# Altium PCB HW_RV_TOUCH_R1M1.PcbDoc (part 4 of 5)
Units mil, origin at the board's own origin, x right, y up, seen from the top; angles counter-clockwise.
Board outline 7086.61 x 4330.71 mil, 6 copper layers (Top Layer, Int1 (GND), Int2 (Sig), Int3 (PWR), Int4 (GND), Bottom Layer), stack 77.316 mil thick; 341 components, 211 nets, 1147 pads, 844 vias.
Unrouted connection lines stored in the file: 123.
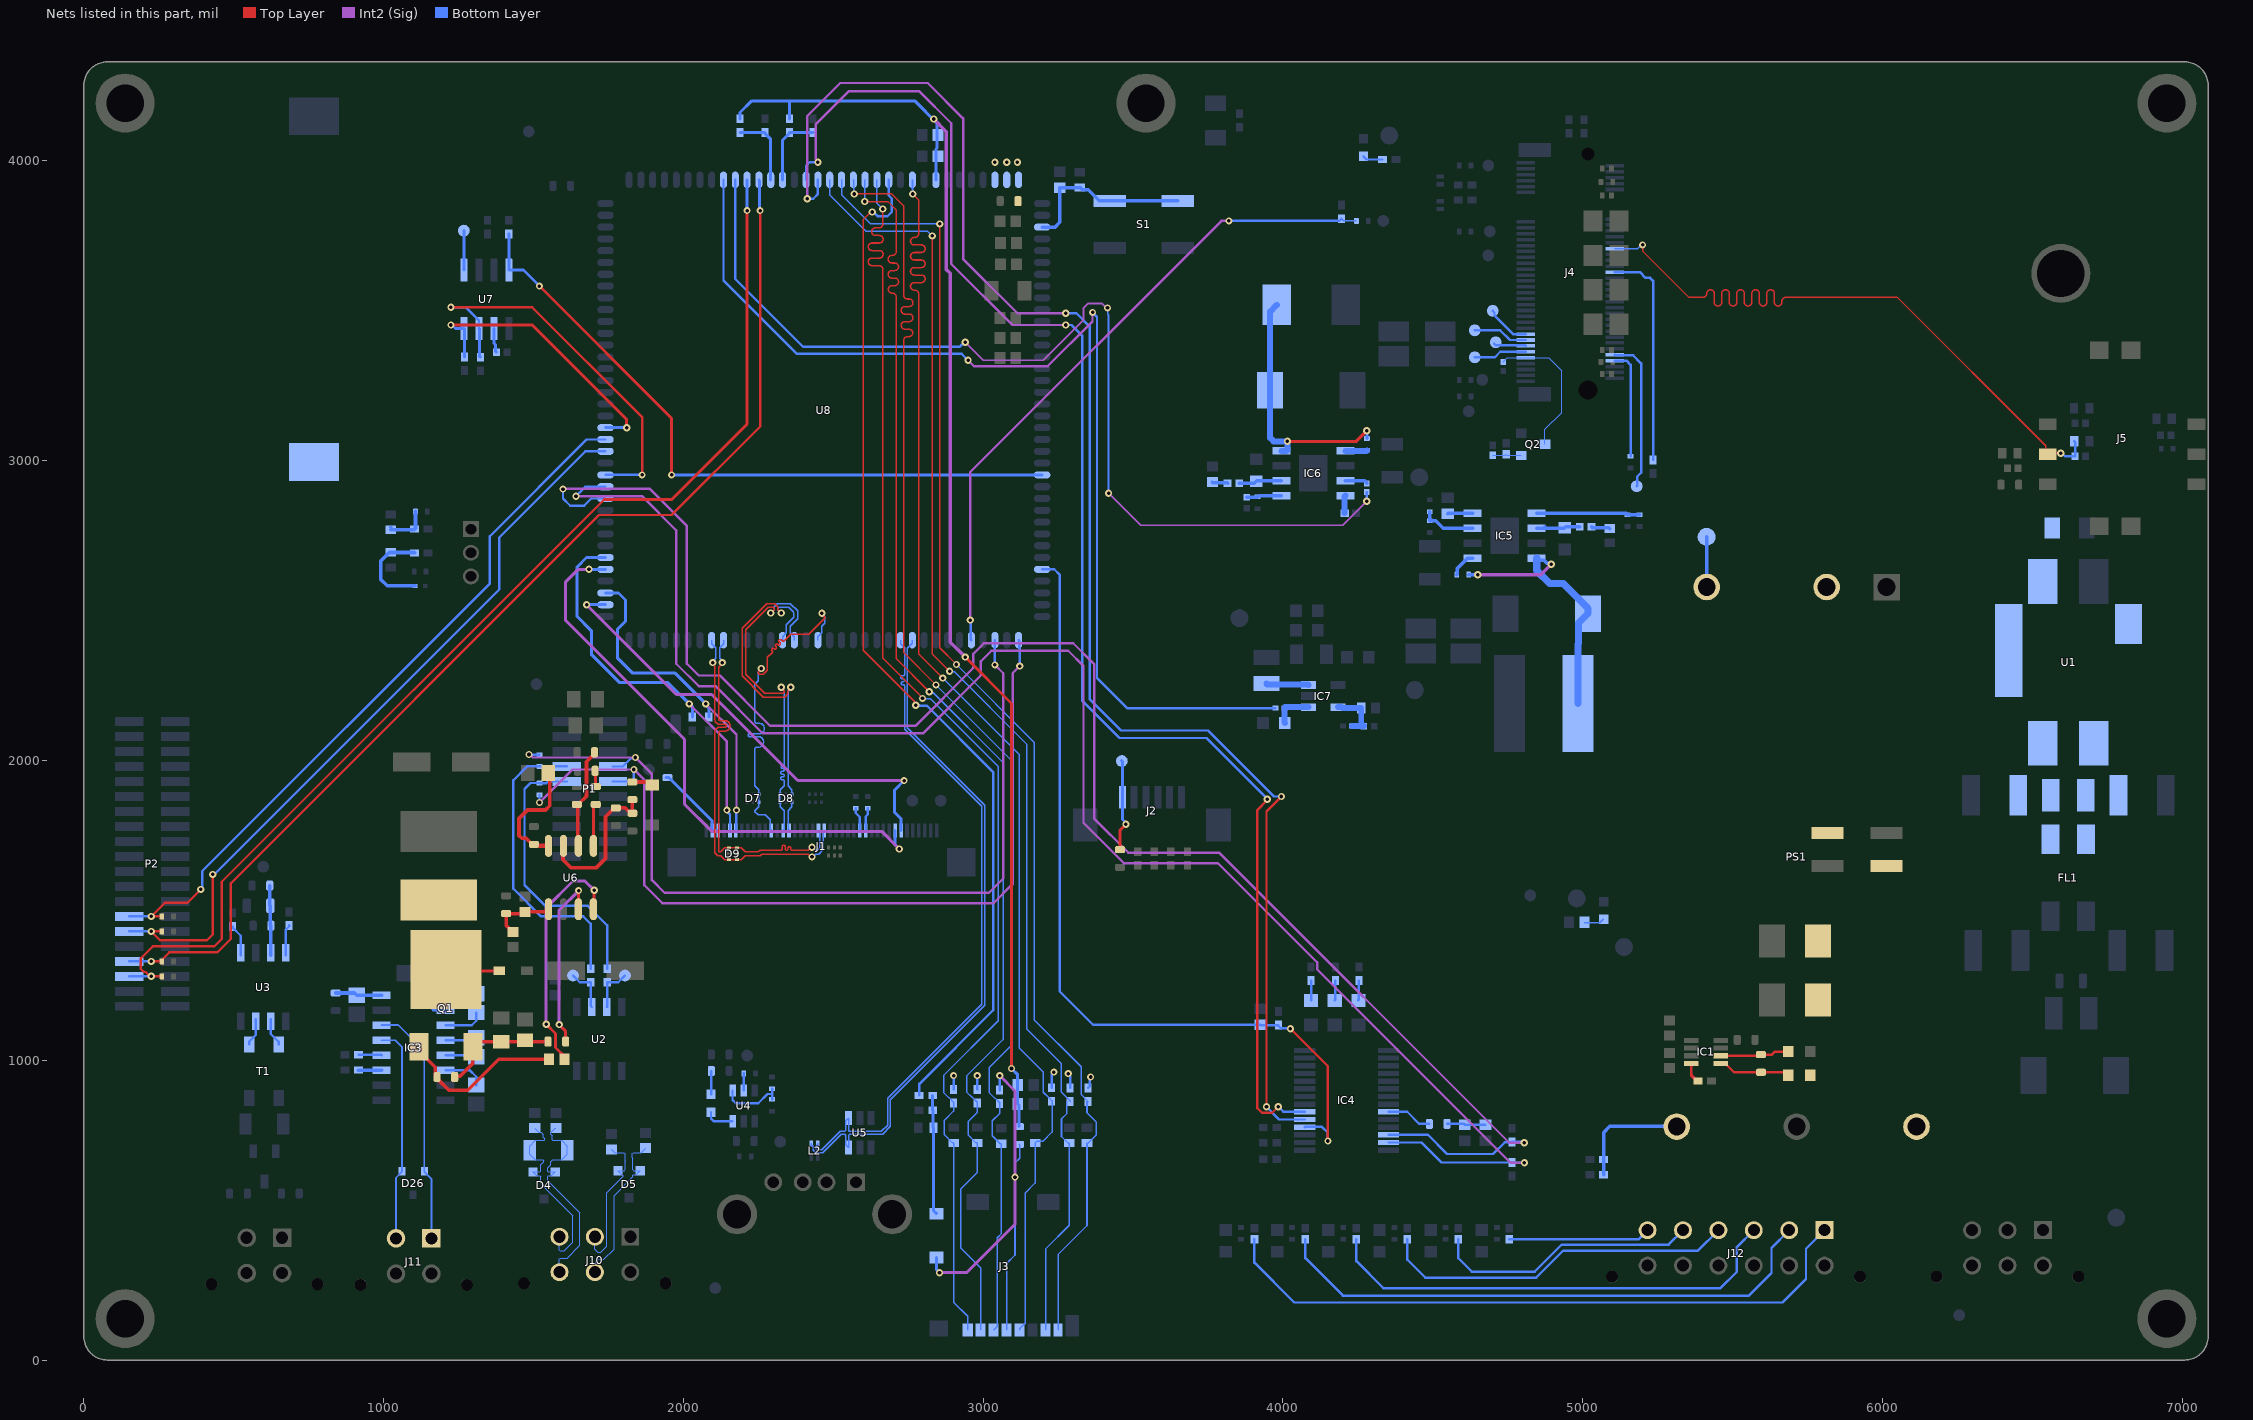
[diagram p8: the nets of this part, all layers, seen from the top]

## Via types
v1: diameter 24.02, hole 12.01, Top Layer to Bottom Layer, tented both sides, 744 vias
v2: diameter 16.14/16.14/16.14/16.14/16.14/16.14 (per signal layer), hole 8.07, Top Layer to Bottom Layer, tented both sides, 71 vias
v3: diameter 16.14, hole 8.07, Top Layer to Bottom Layer, tented both sides, 12 vias
v4: diameter 24.02, hole 12.01, Top Layer to Bottom Layer, 11 vias
v5: diameter 47.24, hole 24.02, Top Layer to Bottom Layer, tented both sides, 6 vias

## Nets (pads, with @x,y where several pads share a name; then routed paths per layer and width w, separated by ;. In a path a pad name is that pad's centre, name@x,y a point inside that pad or via, vN(x,y) a via of type N, cw(c..) or ccw(c..) an arc to the next point about the centre after c; other vN are vias at no path point) (continued)
LVDS0_D1_P: D7.3 D7.4 J1.12 U8.124 | length 1236.2
  Top Layer w4.4: v1(2259.84,2307.09) 2259.84,2304.21 2250.33,2294.7 2250.33,2290.28 2252.91,2287.7 2266.77,2287.7 2279.94,2300.87 2279.94,2343.76 2295.99,2359.81 ccw(c2292.67,2363.13) 2295.99,2366.46 cw(c2299.31,2369.78) 2295.99,2373.1 cw(c2299.31,2369.78) 2302.64,2373.1 ccw(c2305.96,2376.43) 2309.28,2373.1 ccw(c2305.96,2376.43) 2309.28,2379.75 2308.3,2380.74 cw(c2311.62,2384.06) 2308.3,2387.39 cw(c2311.62,2384.06) 2314.94,2387.39 2315.93,2386.4 ccw(c2319.25,2389.72) 2322.58,2386.4 ccw(c2319.25,2389.72) 2322.58,2393.04 2320.03,2395.59 cw(c2323.36,2398.91) 2320.03,2402.24 cw(c2323.36,2398.91) 2326.68,2402.24 2329.22,2399.69 ccw(c2332.55,2403.01) 2335.87,2399.69 2344.07,2407.89 2357.44,2421.26 2418.51,2421.26 2471.59,2474.33 2471.59,2478.76 2462.08,2488.26 v1(2462.08,2491.14)
  Bottom Layer w4.4: v1(2259.84,2307.09) 2259.84,2304.21 2250.33,2294.7 2250.33,2266.08 2238.78,2254.53 2238.78,2137.8 2238.78,2129.09 ccw(c2243.48,2129.09) 2243.48,2124.39 2252.56,2124.39 cw(c2252.56,2106.69) 2252.56,2088.99 2220.49,2088.99 ccw(c2220.49,2084.29) 2220.49,2079.59 2249.9,2079.59 cw(c2249.9,2061.89) 2249.9,2044.19 2243.48,2044.19 ccw(c2243.48,2039.49) 2238.78,2039.49 2238.78,2000 2238.78,1915.26 2251.97,1902.07 D7.3@2251.97,1887.3 D7.4@2251.97,1860.73 2251.97,1845.96 2238.78,1832.77 2238.78,1829.13 2249.02,1818.89 2273.69,1818.89 2289.96,1802.61 2289.96,1770.35 J1.12@2293.31,1767.01 ; U8.124@2448.82,2401.57 2448.82,2413.36 2462,2426.54 2462,2448.06 2471.59,2457.65 2471.59,2478.76 2462.08,2488.26 v1(2462.08,2491.14)
LVDS0_D2_N: D8.1 D8.6 J1.14 U8.126 | length 1237.6
  Top Layer w4.4: v1(2291.34,2492.13) 2291.34,2492.36 2302.56,2503.58 2302.56,2507.22 2299.05,2510.73 2283.63,2510.73 2208.66,2435.76 2208.66,2287.4 2271.35,2224.71 2333.18,2224.71 2335.76,2227.29 2335.76,2231.71 2326.25,2241.22 v1(2326.25,2244.09)
  Bottom Layer w4.4: v1(2291.34,2492.13) 2291.34,2492.36 2302.56,2503.58 2302.56,2512.61 2313.68,2523.73 2356.86,2523.73 2381.76,2498.83 2381.76,2472.31 2356.89,2447.44 2356.89,2426.53 2370.08,2413.34 U8.126@2370.08,2401.57 ; v1(2326.25,2244.09) 2326.25,2241.74 2336.28,2231.71 2336.28,2027.56 2336.28,1987.73 cw(c2331.58,1987.73) 2331.58,1983.03 2330.59,1983.03 ccw(c2330.59,1978.33) 2330.59,1973.63 2331.58,1973.63 cw(c2331.58,1968.93) 2331.58,1964.23 2329.56,1964.23 ccw(c2329.56,1959.53) 2329.56,1954.83 2331.58,1954.83 cw(c2331.58,1950.13) 2331.58,1945.43 2329.56,1945.43 ccw(c2329.56,1940.73) 2329.56,1936.03 2331.58,1936.03 cw(c2331.58,1931.33) 2336.28,1931.33 2336.28,1929.13 2336.28,1915.52 2322.83,1902.07 D8.1@2322.83,1887.3 D8.6@2322.83,1860.73 2322.83,1845.96 2336.02,1832.77 2336.02,1770.35 J1.14@2332.68,1767.01
LVDS0_D2_P: D8.3 D8.4 J1.15 U8.127 | length 1237.8
  Top Layer w4.4: v1(2326.77,2492.13) 2326.77,2492.36 2315.56,2503.58 2315.56,2512.61 2304.43,2523.73 2278.25,2523.73 2195.66,2441.15 2195.66,2282.02 2265.97,2211.71 2338.57,2211.71 2348.76,2221.9 2348.76,2231.71 2358.27,2241.22 v1(2358.27,2244.09)
  Bottom Layer w4.4: v1(2326.77,2492.13) 2326.77,2492.36 2315.56,2503.58 2315.56,2507.22 2319.06,2510.73 2351.47,2510.73 2366.14,2496.06 2368.76,2493.44 2368.76,2477.7 2343.89,2452.83 2343.89,2426.53 2330.7,2413.34 U8.127@2330.7,2401.57 ; J1.15@2352.36,1767.01 2349.02,1770.35 2349.02,1832.77 2362.2,1845.96 D8.4@2362.2,1860.73 D8.3@2362.2,1887.3 2362.2,1902.59 2349.28,1915.52 2349.28,2027.56 2349.28,2231.71 2358.27,2240.7 v1(2358.27,2244.09)
LVDS0_D3_N: D9.1 D9.6 J1.20 U8.132 | length 1236.2
  Top Layer w4.4: v1(2129.92,2326.77) 2129.92,2323.89 2117.89,2311.86 2117.89,2146.83 2117.89,2138.13 ccw(c2122.59,2138.13) 2122.59,2133.43 2138.33,2133.43 cw(c2138.33,2115.73) 2138.33,2098.03 2122.59,2098.03 ccw(c2122.59,2093.33) 2117.89,2093.33 2117.89,1917.32 2117.89,1698.05 2120.47,1695.48 2124.11,1695.48 2137.3,1708.66 D9.1@2152.07,1708.66 D9.6@2178.64,1708.66 2193.41,1708.66 2206.6,1695.48 2250.59,1695.48 2255.98,1700.86 2322.83,1700.86 2325.04,1700.86 ccw(c2325.04,1705.56) 2329.74,1705.56 2329.74,1713.33 cw(c2334.44,1713.33) 2339.14,1713.33 2339.14,1705.56 ccw(c2343.84,1705.56) 2348.54,1705.56 2348.54,1707.19 cw(c2353.24,1707.19) 2357.94,1707.19 2357.94,1705.56 ccw(c2362.64,1705.56) 2362.64,1700.86 2397.64,1700.86 2416.75,1700.86 2426.26,1710.37 v1(2429.13,1710.37)
  Bottom Layer w4.4: v1(2129.92,2326.77) 2129.92,2332.08 2120.66,2341.34 2120.66,2376.62 2133.85,2389.8 U8.132@2133.85,2401.57 ; v1(2429.13,1710.37) 2432.01,1710.37 2441.52,1700.86 2445.94,1700.86 2454.13,1709.05 2454.13,1763.67 J1.20@2450.79,1767.01
LVDS0_D3_P: D9.3 D9.4 J1.21 U8.133 | length 1237.1
  Top Layer w4.4: v1(2097.91,2326.77) 2097.91,2321.46 2104.89,2314.48 2104.89,2146.83 2104.89,2138.13 ccw(c2122.59,2138.13) 2122.59,2120.43 2138.33,2120.43 cw(c2138.33,2115.73) 2138.33,2111.03 2122.59,2111.03 ccw(c2122.59,2093.33) 2104.89,2093.33 2104.89,1917.32 2104.89,1692.67 2115.08,1682.48 2124.11,1682.48 2137.3,1669.29 D9.3@2152.07,1669.29 D9.4@2178.64,1669.29 2193.41,1669.29 2206.6,1682.48 2255.98,1682.48 2261.37,1687.86 2416.75,1687.86 2426.26,1678.35 v1(2429.13,1678.35)
  Bottom Layer w4.4: U8.133@2094.48,2401.57 2094.48,2389.8 2107.66,2376.62 2107.66,2341.84 2097.91,2332.08 v1(2097.91,2326.77) ; v1(2429.13,1678.35) 2432.01,1678.35 2441.52,1687.86 2451.33,1687.86 2467.13,1703.67 2467.13,1763.67 J1.21@2470.47,1767.01
Module_RESET_N: C90.1 J4.67 Q2.3 | length 486.7
  Bottom Layer w4: C90.1@4734.9,3330 C90.1@4735,3329.9 ; C90.1@4735,3330.75 4748.07,3343.82 J4.67@4810,3343.82 4886.18,3343.82 4930,3300 4930,3160 4874.37,3104.37 Q2.3@4874.37,3055
NetBAT1_POS: BAT1.POS C48.2 U7.6 | length 82.4
  Bottom Layer w10: U7.6@1368.08,3441.12 1368.08,3391.76 1374.02,3385.83 1374.02,3364.57 C48.2@1376.38,3362.2
NetC3_1: C3.1 C7.2 FL1.4 U1.1
NetC6_1: C6.1 C8.1 PS1.2 U1.4
NetC7_1: C7.1 C10.2 FL1.3 U1.3
NetC12_1: C12.1 D37.1 IC6.8 L4.1 | length 870.8
  Top Layer w10: v1(4015,3065) 4245,3065 v1(4280,3100)
  Bottom Layer w10: C12.1@4280,3074.37 v1(4280,3100)
  Bottom Layer w20: L4.1@3980,3520 3957.2,3497.2 D37.1@3957.2,3235 3957.2,3076.72 3968.92,3065 v1(4015,3065) 4014.63,3064.63 4014.63,3036.06 4011.83,3033.27 IC6.8@3994.61,3033.27
NetC12_2: C12.2 IC6.1 | length 72.6
  Bottom Layer w20: IC6.1@4208.15,3033.27 4278.27,3033.27 C12.2@4280,3035
NetC13_1: C13.1 D36.1 IC5.8 L5.1 | length 942.8
  Int2 (Sig) w11.81: v1(4650,2620) 4860,2620 v1(4895,2655)
  Bottom Layer w11.81: C13.1@4619.69,2620 v1(4650,2620) ; IC5.8@4846.77,2675 4853.66,2668.11 4870.89,2668.11 4881.66,2657.34 4892.66,2657.34 v1(4895,2655)
  Bottom Layer w23.62: IC5.8@4846.77,2675 4846.77,2633.23 4890,2590 4935.51,2590 5017.8,2507.72 D36.1@5017.8,2490 4986.3,2458.5 4986.3,2391.26 4984.17,2389.13 L5.1@4984.17,2190
NetC13_2: C13.2 IC5.1 | length 87
  Bottom Layer w11.81: C13.2@4580.31,2620 4582.28,2621.97 4582.28,2641.28 4616,2675 IC5.1@4633.23,2675
NetC14_1: C14.1 IC1.2 R7.1 | length 215.8
  Top Layer w8: IC1.2@5460.69,1015.08 5491.63,1015.08 5491.71,1014.99 5508.29,1014.99 5508.37,1015.08 C14.1@5580.83,1015.08 ; C14.1@5594.55,1019.02 5631.28,1019.02 5641.13,1028.86 R7.1@5686.08,1028.86
NetC14_2: C14.2 IC1.1 R6.1 | length 237.6
  Top Layer w8: IC1.1@5460.69,989.49 5475.45,989.49 5504.98,959.96 C14.2@5590.43,959.96 ; C14.2@5594.55,959.96 5676.24,959.96 R6.1@5686.08,950.12
NetC20_2: C20.2 IC5.6 R109.2 | length 145.6
  Bottom Layer w12: IC5.6@4846.77,2775 C20.2@4938.58,2775 ; IC5.6@4868.58,2775 4870,2776.42 IC5.6@4873.58,2780 ; C20.2@4943.58,2780 R109.2@4990.31,2780
NetC22_1: C22.1 R109.1 | length 63
  Bottom Layer w11.81: R109.1@5029.69,2780 5032.87,2776.81 5086.81,2776.81 C22.1@5090,2773.62
NetC23_2: C23.2 IC6.6 R124.2 | length 143.3
  Bottom Layer w11.81: R124.2@3854.69,2925 3904.53,2925 C23.2@3911.38,2931.85 3912.8,2933.27 IC6.6@3994.61,2933.27
NetC24_2: C24.2 R124.1 | length 51.7
  Bottom Layer w11.81: C24.2@3765,2928.43 3766.71,2926.71 3813.6,2926.71 R124.1@3815.31,2925
NetC34_2: C34.2 C35.2 FB3.2 U3.3 | length 234.1
  Bottom Layer w12: FB3.2@620.08,1582.68 620.08,1517.72 C34.2@622.05,1515.75 622.05,1450.79 C35.2@624.02,1448.82 623.78,1448.58 623.78,1350.63 U3.3@623.55,1350.39
NetC43_2: C43.2 R43.1 | length 54
  Top Layer w10: C43.2@1705.71,1965.83 1706.69,1964.84 1706.69,1913.66 R43.1@1707.68,1912.68
NetC44_2: C44.2 R53.1 U6.2 | length 342
  Top Layer w12: U6.2@1650,1715.14 1647.34,1717.8 1647.34,1850.96 C44.2@1644.69,1853.62 1649.61,1853.62 1676.67,1880.69 1676.67,1995.57 1703.74,2022.64 R53.1@1703.74,2027.56
NetC45_2: C45.2 R48.2 R51.2 U6.3 | length 506.2
  Top Layer w12: U6.3@1600,1715.14 1598.43,1713.56 1598.43,1669.29 1625.98,1641.73 1708.66,1641.73 1740.16,1673.23 1740.16,1812.28 1769.68,1841.81 C45.2@1774.61,1841.81 1806.6,1841.81 1824.31,1824.09 R51.2@1829.72,1824.09 R48.2@1829.72,1869.37
NetC46_2: C46.2 R42.1 U6.4 | length 404
  Top Layer w12: C46.2@1500.98,1720.47 1495.57,1720.47 1475.18,1740.87 1460.91,1740.87 1451.77,1750 1451.77,1806.77 1480,1835 1540,1835 1554.14,1849.14 1554.14,1957.95 R42.1@1550,1953.82
  Top Layer w15: C46.2@1500.98,1720.47 1505.3,1716.16 1517.98,1716.16 1519,1715.14 U6.4@1550,1715.14
NetC47_2: C47.2 R47.1 R52.2 U6.5 | length 220.5
  Top Layer w12: R47.1@1432.09,1428.43 1430.12,1428.43 1408.46,1450.08 C47.2@1408.46,1489.45 1465.55,1489.45 R52.2@1471.46,1495.35 1543.16,1495.35 1550,1502.19 U6.5@1550,1503.92
NetC49_2: C49.2 D18.2 S1.1 S1.2 U8.73 | length 592.1
  Bottom Layer w12: U8.73@3196.86,3779.53 3240.16,3779.53 3255.91,3795.28 C49.2@3255.91,3910.43 3256.4,3910.93 3322.34,3910.93 D18.2@3322.83,3911.42 3330.61,3903.64 3351.05,3903.64 3387.68,3867.01 S1.2@3422.13,3867.01 S1.1@3648.5,3867.01
NetC60_1: C60.1 IC3.3 | length 135.9
  Bottom Layer w7.99: IC3.3@1206.88,1116.99 1294.16,1116.99 1309.06,1131.89 C60.1@1309.06,1159.45
NetC60_2: C60.2 IC3.1 | length 104.4
  Bottom Layer w7.99: IC3.1@1206.88,1216.99 1303.61,1216.99 C60.2@1309.06,1222.44
NetC61_1: C61.1 IC3.5 | length 104.3
  Bottom Layer w7.99: IC3.5@1206.88,1016.99 1303.87,1016.99 C61.1@1309.06,1011.81
NetC61_2: C61.2 IC3.4 | length 105.4
  Bottom Layer w7.99: IC3.4@1206.88,1066.99 1301.24,1066.99 C61.2@1309.06,1074.8
NetC62_1: C62.1 IC3.2 | length 178.3
  Bottom Layer w7.99: C62.1@1131.6,1290.02 1131.6,1201.07 1165.68,1166.99 IC3.2@1206.88,1166.99
NetC63_1: C63.1 IC3.6 | length 138.9
  Bottom Layer w7.99: IC3.6@1206.88,966.99 1286.94,966.99 1309.06,944.88 C63.1@1309.06,917.32
NetC64_1: C64.1 FB6.1 IC3.16 | length 156.9
  Bottom Layer w12: FB6.1@840,1224.53 901.97,1224.53 C64.1@910,1216.5 910.5,1216.99 IC3.16@993.34,1216.99
NetC68_1: C68.1 IC7.1 R15.2 | length 132.9
  Bottom Layer w20: C68.1@4006.42,2125 4004.76,2126.65 R15.2@4004.76,2175 4007.76,2177.99 IC7.1@4085.79,2177.99
NetC70_1: C70.1 IC7.5 R73.1 R74.2 | length 182.2
  Bottom Layer w20: IC7.5@4184.21,2177.99 4196.02,2177.99 4199.02,2175 C70.1@4261.38,2175 4261.38,2123.62 R73.1@4270,2115 R74.2@4229.76,2115
NetC80_1: C80.1 C81.1 FB8.2 | length 129.2
  Bottom Layer w8: FB8.2@4547.6,787.8 4603.7,787.8 C81.1@4606.65,784.84 C80.1@4675.55,784.84
NetD2_2: D2.2 R11.1 | length 67.7
  Bottom Layer w6: R11.1@5005.93,1458.84 5057.49,1458.84 D2.2@5068.93,1470.28
NetD3_2: D3.2 R12.1 | length 67.8
  Bottom Layer w7.99: D3.2@4268.94,4015.47 4279.41,4005 R12.1@4332.36,4005
NetD12_1: D12.1 U4.3 | length 97.1
  Bottom Layer w8: D12.1@2092.14,827.27 2092.14,805.62 2100.89,796.86 U4.3@2163.99,796.86
NetD12_2: D12.2 R34.2 | length 78.3
  Bottom Layer w5: D12.2@2092.14,886.33 D12.2@2093.12,887.31
  Bottom Layer w8: D12.2@2093.12,887.31 R34.2@2093.12,964.19
NetD13_1: D13.1 D14.2 R41.2 | length 310.8
  Bottom Layer w12: R41.2@1103.35,2692.91 1102.36,2693.9 1024.61,2693.9 D14.2@1023.62,2694.88 1019.68,2694.88 989.91,2665.1 989.91,2605.09 1012.32,2582.68 D13.1@1104.82,2582.68
NetD15_2: D15.2 R39.1 R40.2 | length 146.4
  Bottom Layer w12: D15.2@1023.62,2769.68 1101.38,2769.68 1106.2,2774.51 1106.2,2826.87 1106.3,2826.96 R39.1@1106.3,2830.71 ; D15.2@1023.62,2777.56 D15.2@1027.56,2773.62
NetD16_2: D16.2 L3.2 Q1.2 | length 179.7
  Top Layer w10: Q1.2@1207.8,1302.44 1211.74,1298.5 D16.2@1385.92,1298.5
NetD17_2: D17.2 R48.1 | length 71.1
  Top Layer w12: R48.1@1829.72,1928.43 1886.51,1928.43 D17.2@1896.65,1918.29
NetD19_2: D19.2 J3.10 R66.2 R67.2 | length 399.8
  Bottom Layer w10: R66.2@2831.69,882.56 R67.2@2831.69,833.34 2833.17,831.87 2833.17,775.77 D19.2@2834.65,774.29 2834.65,498.43 J3.10@2844.88,488.19
NetD33_2: D33.2 R114.1 | length 66.8
  Bottom Layer w8: D33.2@4251.73,1200.04 4253.7,1202.01 R114.1@4253.7,1265.98
NetD34_2: D34.2 R115.1 | length 66.8
  Bottom Layer w8: D34.2@4172.99,1200.04 4174.96,1202.01 R115.1@4174.96,1265.98
NetD35_2: D35.2 R118.1 | length 65.9
  Bottom Layer w8: D35.2@4094.25,1200.04 R118.1@4094.25,1265.98
NetFB1_1: FB1.1 J1.2 J1.3 | length 264.8
  Bottom Layer w10: FB1.1@1942.52,1942.91 FB1.1@1946.95,1942.91 1951.87,1942.91 2095.55,1799.23 2095.55,1767.91 J1.2@2096.46,1767.01 J1.3@2116.14,1767.01
NetFB2_2: FB2.2 J2.1 TP15.1 | length 311.9
  Top Layer w10: FB2.2@3456.69,1702.76 3456.69,1767.72 v1(3476.38,1787.4)
  Bottom Layer w10: TP15.1@3460.92,2000.13 3464.57,1996.48 J2.1@3464.57,1877.95 3464.57,1803.01 3476.38,1791.19 v1(3476.38,1787.4)
NetFB4_2: FB4.2 J3.4 J3.9 R60.2 R61.2 R62.2 R63.2 R64.2 R65.2 | length 1815.8
  Int2 (Sig) w10: v1(2854.33,291.34) 2944.88,291.34 3106.3,452.76 3106.3,897.64 v1(3055.12,948.82)
  Bottom Layer w5.1: J3.4@3078.54,100.39 3078.54,322.64 3106.3,350.39 v1(3106.3,610.24) 3106.3,657.48 3122.05,673.23 3122.05,717.52 FB4.2@3120.08,719.49
  Bottom Layer w7.99: R64.2@2901.57,902.55 v1(2901.57,948.82) ; R65.2@2980.32,902.55 v1(2980.32,948.82) ; R61.2@3055.12,900.59 v1(3055.12,948.82) ; R60.2@3228.35,908.46 3228.35,952.76 v1(3236.22,960.63) ; v1(3284.03,955.54) 3284.03,951.2 3290,945.23 R62.2@3290,907.64 ; R63.2@3350,907.64 3355.48,913.12 3355.48,941.11 v1(3358.54,944.17)
  Bottom Layer w10: J3.9@2844.88,342.52 2844.88,300.79 v1(2854.33,291.34)
NetFB5_1: FB5.1 U8.68 U8.69 U8.70
  other v1: 3039.37,3996.06 3078.74,3996.06 3114.17,3996.06
NetFB8_1: FB8.1 IC4.9 | length 152.5
  Bottom Layer w8: IC4.9@4352.72,828.15 4414.72,828.15 4455.08,787.8 FB8.1@4488.54,787.8
NetIC1_8: IC1.8 R4.1 | length 70.2
  Top Layer w10: IC1.8@5362.26,989.49 5362.26,950.12 5381.95,930.44 R4.1@5384.9,930.44
NetIC3_11: IC3.11 R69.1 | length 77.4
  Bottom Layer w8: IC3.11@993.14,967.19 IC3.11@993.34,966.99
  Bottom Layer w12: R69.1@916.05,967.19 916.15,967.09 993.04,967.09 IC3.11@993.14,967.19
NetIC3_12: IC3.12 R70.1 | length 77.9
  Bottom Layer w8: R70.1@916.05,1018.37 991.96,1018.37 IC3.12@993.34,1016.99
NetIC4_12: IC4.12 R84.1 U8.11 | length 5627.6
  Int2 (Sig) w8: v1(1598.43,2905.51) 1599.86,2906.94 1887.26,2906.94 2011.81,2782.39 2011.81,2322.83 2051.18,2283.46 2122.05,2283.46 2289.91,2115.61 2774.16,2115.61 2967.07,2308.52 2967.07,2355.76 3002.5,2391.2 3300.65,2391.2 3370.08,2321.76 3370.08,1807.09 3484.25,1692.91 3787.09,1692.91 4755,725 v1(4805,725)
  Bottom Layer w8: v1(1598.43,2905.51) 1598.43,2874.02 1622.67,2849.77 1668.67,2849.77 1692.91,2874.02 U8.11@1740.15,2874.01 ; IC4.12@4352.72,751.38 4483.62,751.38 4547.6,687.4 4701.14,687.4 4740.51,726.77 4763.15,726.77 R84.1@4764.13,727.76 4802.24,727.76 v1(4805,725)
NetIC4_13: IC4.13 R89.1 U8.12 | length 5514.4
  Int2 (Sig) w8: v1(1641.73,2881.89) 1862.2,2881.89 1976.38,2767.72 1976.38,2322.83 2051.18,2248.03 2107.37,2248.03 2264.85,2090.55 2799.21,2090.55 2992.13,2283.46 2992.13,2330.71 3027.56,2366.14 3283.86,2366.14 3334.65,2315.35 3334.65,1792.41 3469.58,1657.48 3783.46,1657.48 4114.6,1326.35 4114.6,1302.97 4759.43,658.14 v1(4805.81,658.14)
  Bottom Layer w8: v1(1641.73,2881.89) 1673.23,2913.38 U8.12@1740.15,2913.38 ; IC4.13@4352.72,725.79 4461.97,725.79 4528.9,658.86 R89.1@4764.13,658.86 4764.85,658.14 v1(4805.81,658.14)
NetIC4_19: IC4.19 U8.53 | length 5182.8
  Top Layer w8: v1(3945.24,844.88) 3945.24,1830.24 v1(3995,1880)
  Int2 (Sig) w8: v1(2413.39,3874.02) 2413.11,3874.3 2413.11,4149.89 2523.34,4260.12 2815.24,4260.12 2933.07,4142.29 2933.07,3673.23 3114.17,3492.13 v1(3275.59,3492.13)
  Bottom Layer w8: v1(2413.39,3874.02) 2433.07,3874.02 2448.82,3889.76 U8.53@2448.82,3937.01 ; v1(3275.59,3492.13) 3311.02,3492.13 3355,3448.15 3355,2205 3460,2100 3750,2100 3970,1880 v1(3995,1880) ; v1(3945.24,844.88) 3987.56,802.56 IC4.19@4073.19,802.56
NetIC4_20: IC4.20 U8.52 | length 4963.8
  Top Layer w8: v1(3947.82,1870.73) 3947.82,1867.82 3915,1835 3915,840 3930.13,824.87 3964.6,824.87 v1(3984.61,844.88)
  Int2 (Sig) w8: v1(2448.82,3996.06) 2440.95,4003.94 2440.95,4122.05 2551.18,4232.28 2787.4,4232.28 2893.7,4125.98 2893.7,3656.92 3097.87,3452.76 v1(3275.59,3452.76)
  Bottom Layer w8: U8.52@2409.44,3937.01 2409.45,3984.25 2421.26,3996.06 v1(2448.82,3996.06) ; v1(3275.59,3452.76) 3294.72,3452.76 3330,3417.47 3330,2200 3455,2075 3745,2075 v1@3948.54,1871.46 ; v1(3984.61,844.88) 3985.09,844.88 4001.83,828.15 IC4.20@4073.19,828.15
NetIC5_3: IC5.3 R9.1 R111.2 | length 183.9
  Bottom Layer w11.81: R111.2@4490,2830.32 R9.1@4490,2800 4510,2800 4535,2775 IC5.3@4633.23,2775
NetIC5_4: IC5.4 R122.2 | length 83.9
  Bottom Layer w11.81: R122.2@4550,2823.43 4551.57,2825 IC5.4@4633.23,2825
NetIC5_5: IC5.5 R10.1 R113.2 | length 346.7
  Bottom Layer w11.81: IC5.5@4846.77,2825 5144.69,2825 5146.06,2823.62 5146.06,2821.65 5148.03,2819.68 R113.2@5150,2819.68 5150.16,2819.84 5189.84,2819.84 R10.1@5190,2820
NetIC6_3: IC6.3 R13.2 | length 75.9
  Bottom Layer w11.81: IC6.3@4208.15,2933.27 4272.48,2933.27 4280,2925.75 R13.2@4280,2924.76
NetIC6_4: IC6.4 R126.2 | length 59
  Bottom Layer w20: R126.2@4206.3,2825 4206.3,2881.41 IC6.4@4208.15,2883.27
NetIC6_5: IC6.5 R14.1 R120.2 | length 116.9
  Bottom Layer w11.81: R14.1@3880,2877.72 3880.98,2878.7 3914.02,2878.7 R120.2@3915,2879.68 3916.97,2879.68 3920.55,2883.27 IC6.5@3994.61,2883.27
NetIC7_3: IC7.3 L6.1 | length 142.7
  Bottom Layer w20: L6.1@3945,2256.69 3947.34,2254.35 4083.44,2254.35 IC7.3@4085.79,2252.01
NetJ4_38: J4.38 R82.1 | length 737.4
  Bottom Layer w8: J4.38@5107.24,3629.25 5190.75,3629.25 5210,3610 5225,3610 5235,3600 R82.1@5235,3002.47
NetJ4_59: J4.59 TP30.1 | length 147.9
  Bottom Layer w8: TP30.1@4700,3500 4706,3494 4706,3484.12 4767.56,3422.56 J4.59@4810,3422.56
NetJ4_61: J4.61 TP31.1 | length 183.3
  Bottom Layer w7.99: TP31.1@4640,3435 4725,3435 4757.13,3402.87 J4.61@4810,3402.87
NetJ4_63: J4.63 TP32.1 | length 107.8
  Bottom Layer w7.99: TP32.1@4705,3390 4709.9,3385.1 4808.09,3385.1 J4.63@4810,3383.19
NetJ4_65: J4.65 TP33.1 | length 177.7
  Bottom Layer w7.99: TP33.1@4640,3345 4706.74,3345 4725.24,3363.5 J4.65@4810,3363.5
NetJ4_66: J4.66 TP8.1 | length 515.8
  Bottom Layer w8: J4.66@5107.24,3353.66 5109.15,3351.76 5168.24,3351.76 5195,3325 5195,2960 5181.69,2946.69 5181.69,2916.68 TP8.1@5180,2915
NetJ4_68: J4.68 R137.1 | length 363.5
  Bottom Layer w8: J4.68@5107.24,3333.98 5146.02,3333.98 5160,3320 R137.1@5160,3015
NetJ12_1: J12.1 R98.1 | length 2193.7
  Bottom Layer w8: R98.1@3905,402.6 3905,325 4037.95,192.05 5667.05,192.05 5745,270 5745,370.98 J12.1@5807.09,433.07
NetJ12_2: J12.2 R94.1 | length 1867.9
  Bottom Layer w8: R94.1@4075,402.6 4075,340 4200,215 5555,215 5630,290 5630,374.09 J12.2@5688.98,433.07
NetJ12_3: J12.3 R92.1 | length 1563.9
  Bottom Layer w8: R92.1@4245,402.6 4245,330 4335,240 5460,240 5514.7,294.7 5514.7,376.91 J12.3@5570.87,433.07
NetJ12_4: J12.4 R90.1 | length 1195.7
  Bottom Layer w8: R90.1@4415,402.6 4415,335 4475,275 4845,275 4935,365 5384.69,365 J12.4@5452.76,433.07
NetJ12_5: J12.5 R87.1 | length 888.1
  Bottom Layer w8: R87.1@4585,402.6 4585,340 4630,295 4840,295 4930,385 5286.57,385 J12.5@5334.65,433.07
NetJ12_6: J12.6 R85.1 | length 474.2
  Bottom Layer w8: R85.1@4755,402.6 5186.06,402.6 J12.6@5216.54,433.07
NetP1_7: P1.7 R17.2 U8.109 | length 2929
  Int2 (Sig) w8: v1(1485,2020) 1487.69,2020 1497.69,2010 v1(1840,2010) 1895,1955 1895,1601.06 1937.01,1559.06 3019.69,1559.06 3066.93,1606.3 3066.93,2291.34 v1(3039.37,2318.9)
  Bottom Layer w8: v1(1485,2020) 1485.16,2019.84 1519.84,2019.84 R17.2@1520,2019.68 ; P1.7@1765,1980 1797.48,1980 1824.42,2006.94 1836.94,2006.94 v1(1840,2010) ; v1(3039.37,2318.9) U8.109@3039.37,2401.57
NetP1_9: P1.9 R72.2 U8.107 | length 2996
  Int2 (Sig) w8: v1(1520,1860) 1630,1970 v1(1835,1970) 1870.01,1934.99 1870.01,1583.61 1930,1523.62 3034.36,1523.62 3098.43,1587.69 3098.43,2291.34 v1(3122.05,2314.96)
  Bottom Layer w8: v1(1520,1860) R72.2@1520,1885.32 ; P1.9@1765,1930 1825,1930 1835,1940 v1(1835,1970) ; U8.107@3118.11,2401.57 3121.1,2398.59 3121.1,2374.28 3122.05,2373.33 v1(3122.05,2314.96)
NetP2_5: P2.5 R104.2 U8.47 | length 3876.1
  Top Layer w8: R104.2@260,1280 v4(225,1280) 220.67,1280 206.29,1294.38 200.62,1294.38 190,1305 190,1340 230,1380 435,1380 460,1405 460,1595.37 1734.71,2870.08
  Top Layer w10: 1734.71,2870.08 1960.63,2870.08 2212.6,3122.05 v1(2212.6,3834.65)
  Bottom Layer w8: P2.5@151.46,1280 v4(225,1280)
  Bottom Layer w10: v1(2212.6,3834.65) U8.47@2212.59,3937.01
NetP2_7: P2.7 R106.2 U8.48 | length 3775
  Top Layer w8: v4(225,1330) R106.2@255,1330 ; R106.2@260,1330 263.87,1333.87 263.87,1338.87 285,1360 445,1360 490,1405 490,1590 1718.9,2818.9 1960.63,2818.9 2256.82,3115.09 2256.82,3832.36 2255.91,3833.27 v1(2255.91,3834.65)
  Bottom Layer w8: P2.7@151.46,1330 v4(225,1330)
  Bottom Layer w10: U8.48@2251.96,3937.01 2253.93,3935.04 2253.93,3836.62 v1(2255.91,3834.65)
NetP2_11: P2.11 R108.2 U8.15 | length 2525.6
  Top Layer w8: R108.2@260,1430 v4(225,1430) 255,1400 410,1400 430,1420 v4(430,1620)
  Bottom Layer w8: P2.11@151.46,1430 v4@220,1430 ; v4(430,1620) 435,1620 1385.83,2570.83 1385.83,2744.09 1673.23,3031.49 U8.15@1740.15,3031.49
NetP2_13: P2.13 R110.2 U8.16 | length 2408
  Top Layer w8: R110.2@260,1480 v4(225,1480) 270,1525 345,1525 v4(390,1570)
  Bottom Layer w8: P2.13@151.46,1480 v4(225,1480) ; v4(390,1570) 390.31,1570 395,1574.69 395,1631.22 1354.33,2590.55 1354.33,2748.03 1677.17,3070.87 U8.16@1740.15,3070.87
NetPS1_3: PS1.3 TP3.1 | length 167.5
  Bottom Layer w12: TP3.1@5413.39,2746.06 5413.58,2745.87 5413.58,2578.94 PS1.3@5413.78,2578.74
NetPS1_4: PS1.4 R1.1 R2.2 | length 393.5
  Bottom Layer w12: R1.1@5069.88,618.11 R2.2@5069.88,669.29 5069.88,758.86 5090.55,779.53 5312.99,779.53 PS1.4@5313.78,778.74
NetQ1_1: Q1.1 R44.1 R45.2 | length 560.4
  Top Layer w12: Q1.1@1117.65,1045.16 1117.65,1031.38 1172.34,976.69 1172.34,949.98 R44.1@1178.15,944.17 1178.15,939.25 1217.8,899.61 1280.51,899.61 1384.13,1003.23 R45.2@1548.23,1003.23
NetQ1_3: Q1.3 R44.2 R46.2 R49.2 R50.2 | length 392.3
  Top Layer w12: R44.2@1237.2,944.17 1239.88,946.85 1254.92,946.85 1297.96,989.89 Q1.3@1297.96,1045.18 1315.06,1062.28 R50.2@1392.72,1062.28 1471.46,1062.28 R46.2@1548.23,1062.28
NetQ2_1: Q2.1 R76.2 R77.2 | length 98.4
  Bottom Layer w4: R76.2@4700,3018.27 4741.97,3018.27 R77.2@4745,3021.3 4748.7,3017.6 Q2.1@4795.63,3017.6
NetR13_1: R13.1 U8.46 | length 3394.2
  Int2 (Sig) w6: v1(2940,3395) 3000,3335 3200,3335 3335,3470 3335,3510 3350,3525 3396.06,3525 3411.06,3510 v1(3415,3510) ; v1(3418.52,2891.58) 3525.1,2785 4200,2785 v1(4280,2865)
  Bottom Layer w6: v1(3415,3510) 3415.52,3509.48 3415.52,3488.99 3418.52,3485.99 v1(3418.52,2891.58)
  Bottom Layer w7.99: U8.46@2173.22,3937.01 2173.22,3606.78 2400,3380 2921.06,3380 2936.06,3395 v1(2940,3395) ; v1(4280,2865) R13.1@4280,2895.24
NetR15_1: R15.1 U8.45 | length 3640.5
  Int2 (Sig) w7.99: v1(2950,3335) 2970,3315 3215,3315 3365,3465 v1(3365,3495)
  Bottom Layer w7.99: U8.45@2133.85,3937.01 2133.85,3601.15 2378.63,3356.37 2928.63,3356.37 v1(2950,3335) ; v1(3365,3495) 3380,3480 3380,2275 3480,2175 R15.1@3975.24,2175
NetR16_1: R16.1 R75.1 U8.111 | length 2203.7
  Int2 (Sig) w7.99: v1(2956.69,2468.5) 2956.69,2961.69 3795,3800 v1(3820,3800)
  Bottom Layer w4.7: R75.1@4195,3807.36 4202.36,3800 R16.1@4245.31,3800
  Bottom Layer w7.99: v1(2956.69,2468.5) 2958.66,2466.54 2958.66,2403.54 U8.111@2960.63,2401.57 ; v1(3820,3800) 4187.64,3800 R75.1@4195,3807.36
NetR21_1: R21.1 TP10.1 U2.2 | length 152.4
  Bottom Layer w8: TP10.1@1631.89,1282.68 1654.53,1260.04 R21.1@1690.94,1260.04 1690.94,1181.2 U2.2@1694.57,1177.57
NetR22_1: R22.1 TP11.1 U2.3 | length 151.5
  Bottom Layer w8: U2.3@1744.57,1177.57 1746.06,1179.06 R22.1@1746.06,1260.04 1782.48,1260.04 TP11.1@1805.12,1282.68
NetR31_1: R31.1 U3.1 | length 106.9
  Bottom Layer w8: R31.1@496.06,1445.87 496.06,1442.91 523.55,1415.43 U3.1@523.55,1350.39
NetR33_1: R33.1 U3.4 | length 104.2
  Bottom Layer w8: U3.4@673.55,1350.39 673.55,1435.36 685.04,1446.85 R33.1@685.04,1449.8
NetR35_1: R35.1 R36.2 U4.4 | length 216.1
  Bottom Layer w8: U4.4@2163.99,899.22 2163.99,867.63 2174.81,856.8 2249.62,856.8 2280.23,887.41 2295.88,887.41 ; R35.1@2295.88,869.7 2295.88,887.41 ; R36.2@2295.88,905.13 2295.88,887.41
NetR37_2: R37.2 U4.5 | length 57.1
  Bottom Layer w8: U4.5@2201.39,899.22 R37.2@2201.39,956.31
NetR43_2: R43.2 U6.1 | length 142.2
  Top Layer w10: U6.1@1700,1715.14 1700,1846.88 1706.74,1853.62 R43.2@1707.68,1853.62
NetR45_1: R45.1 U6.8 | length 807.3
  Top Layer w10: v1(1542.32,1120.08) 1573.04,1089.36 1573.04,1042.39 1607.28,1008.15 R45.1@1607.28,1003.23 ; U6.8@1700,1503.92 1701.38,1505.3 1701.38,1565.55 v1(1702.76,1566.93)
  Int2 (Sig) w10: v1(1542.32,1120.08) 1542.32,1508.86 1631.89,1598.43 1671.26,1598.43 v1(1702.76,1566.93)
NetR46_1: R46.1 U6.7 | length 601.8
  Top Layer w10: v1(1585.63,1119.09) 1586.61,1118.11 1586.61,1117.13 1607.28,1096.46 R46.1@1607.28,1062.28 ; U6.7@1650,1503.92 1650.3,1504.21 1650.3,1565.65 v1(1650.59,1565.94)
  Int2 (Sig) w10: v1(1585.63,1119.09) 1585.63,1500.98 v1(1650.59,1565.94)
NetR56_1: R56.1 U7.7 U8.13 | length 1340.9
  Top Layer w7.99: v1(1224.41,3511.81) 1496.06,3511.81 1862.2,3145.67 v1(1862.2,2952.76)
  Bottom Layer w7.99: v1(1224.41,3511.81) 1274.55,3511.81 1318.08,3468.29 U7.7@1318.08,3441.12 ; U8.13@1740.15,2952.76 v1(1862.2,2952.76)
  Bottom Layer w10: U7.7@1318.08,3441.12 1320.46,3438.74 1320.46,3347.85 R56.1@1322.83,3345.47
NetR57_1: R57.1 U7.8 U8.17 | length 959.4
  Top Layer w10: v1(1224.41,3452.76) 1496.06,3452.76 1811.02,3137.8 v1(1811.02,3110.24)
  Bottom Layer w10: v1(1224.41,3452.76) 1228.2,3452.76 1239.84,3441.12 U7.8@1268.08,3441.12 1269.16,3440.04 1269.16,3347.72 R57.1@1270.24,3346.63 ; U8.17@1740.15,3110.24 v1(1811.02,3110.24)
NetR95_1: R95.1 R99.1 U8.50 | length 247
  Bottom Layer w10: U8.50@2330.7,3937.01 2330.7,4068.89 2354.33,4092.52 R95.1@2354.33,4095.47 R99.1@2433.07,4095.47
NetR97_1: R97.1 R105.1 U8.49 | length 249.3
  Bottom Layer w10: R97.1@2188.98,4095.47 R105.1@2271.65,4095.47 2271.65,4092.52 2291.34,4072.83 U8.49@2291.34,3937.01
NetT1_1: T1.1 U3.7 | length 93.9
  Bottom Layer w8: T1.1@551.18,1053.15 551.18,1062.01 573.55,1084.37 U3.7@573.55,1137.79
NetT1_2: T1.2 U3.6 | length 95.4
  Bottom Layer w8: U3.6@623.55,1137.79 623.55,1088.07 649.61,1062.01 T1.2@649.61,1053.15
NetTP25_1: TP25.1 U7.1 | length 131.9
  Bottom Layer w10: TP25.1@1267.72,3767.72 1267.9,3767.54 1267.9,3636.18 U7.1@1268.08,3636
RADAR_RX: P1.8 R17.1 R21.2 | length 1016.2
  Bottom Layer w8: P1.8@1611.46,1980 1611.14,1980.32 R17.1@1520,1980.32 1478.88,1980.32 1432.96,1934.4 1432.96,1572.04 1525,1480 1665.94,1480 1690.94,1455 R21.2@1690.94,1305.31
RADAR_TX: P1.10 R22.2 R72.1 | length 948.7
  Bottom Layer w8: P1.10@1611.46,1930 1547.75,1930 1542.43,1924.68 R72.1@1520,1924.68 1519.68,1925 1490,1925 1470,1905 1470,1585 1540,1515 1681.06,1515 1746.06,1450 R22.2@1746.06,1305.31
RS232_RX: D26.1 IC3.13 J11.2 | length 724
  Bottom Layer w6: IC3.13@993.34,1066.99 993.4,1066.93 1039.37,1066.93 1061.02,1045.28 D26.1@1061.02,629.92 1061.02,627.95 1041.34,608.27 J11.2@1041.34,406.1
RS232_TX: D26.2 IC3.14 J11.1 | length 812.9
  Bottom Layer w6: IC3.14@993.34,1116.99 994.17,1117.82 1048.06,1117.82 1135.83,1030.06 D26.2@1135.83,629.92 1135.83,627.95 1159.45,604.33 J11.1@1159.45,406.1
RS422_RX_N: D4.2 J10.6 R19.1 R20.2 | length 701.3
  Bottom Layer w4: R20.2@1574.8,773.62 1572.83,773.62 1556.81,757.6 1556.81,753.23 1562,748.05 1562,734.79 1564.34,732.45 1594.32,732.45 1612.99,713.78 R19.1@1612.99,700 1612.99,686.22 1594.32,667.55 1564.34,667.55 1557.84,661.05 1557.84,651.95 1547.43,641.55 1547.43,630.1 1549.78,627.76 D4.2@1572.83,627.76 1559.48,614.4 1549.78,614.4 1547.43,612.06 1547.43,598.73 1655,491.17 1655,383.06 1612.11,340.17 1588.96,340.17 1586.61,337.82 J10.6@1586.61,293.11
RS422_RX_P: D4.1 J10.3 R18.2 R19.2 | length 663.4
  Bottom Layer w4: R18.2@1503.94,773.62 1517.59,759.97 1525.03,759.97 1532.81,752.18 1532.81,743.29 1538,738.11 1538,734.79 1535.66,732.45 1505.68,732.45 1487.01,713.78 R19.2@1487.01,700 1487.01,686.22 1505.68,667.55 1531.49,667.55 1533.84,665.21 1533.84,661.89 1523.43,651.49 1523.43,630.1 1521.09,627.76 D4.1@1498.03,627.76 1511.39,614.4 1521.09,614.4 1523.43,612.06 1523.43,588.79 1631,481.23 1631,393 1602.17,364.17 1588.96,364.17 1586.61,366.51 J10.3@1586.61,411.22
RS422_TX_N: D5.1 J10.2 R23.2 | length 509.8
  Bottom Layer w4: J10.2@1704.72,411.22 1704.72,370.28 1715,360 1725,360 1745,380 1745,558.78 1798.9,612.68 1798.9,616 1796.55,618.34 1794.85,618.34 D5.1@1781.5,631.69 1804.55,631.69 1806.9,634.04 1806.9,663.31 1805.74,664.46 1805.74,689.62 1803.4,691.96 1770.64,691.96 R23.2@1759.84,702.76
RS422_TX_P: D5.2 J10.5 R24.2 | length 552.5
  Bottom Layer w4: J10.5@1704.72,293.11 1708.03,296.42 1708.03,329.03 1715,336 1734.94,336 1769,370.06 1769,548.84 1814.5,594.34 1830.9,610.74 1830.9,616 1833.24,618.34 1842.94,618.34 D5.2@1856.3,631.69 1833.24,631.69 1830.9,634.04 1830.9,673.25 1829.74,674.4 1829.74,689.62 1832.09,691.96 1859.28,691.96 R24.2@1874.02,706.69
RST1: C76.2 D31.2 J4.30 J5.2 | length 2336.7
  Top Layer w5.1: v1(5200,3720) 5200,3700 5355,3545 5370.76,3545 5401.2,3545 ccw(c5401.2,3557.55) 5413.75,3557.55 5413.75,3557.95 cw(c5426.3,3557.95) 5438.85,3557.95 5438.85,3528.61 ccw(c5451.4,3528.61) 5463.95,3528.61 5463.95,3557.95 cw(c5476.5,3557.95) 5489.05,3557.95 5489.05,3528.61 ccw(c5501.6,3528.61) 5514.15,3528.61 5514.15,3557.95 cw(c5526.7,3557.95) 5539.25,3557.95 5539.25,3528.61 ccw(c5551.8,3528.61) 5564.35,3528.61 5564.35,3557.95 cw(c5576.9,3557.95) 5589.45,3557.95 5589.45,3528.61 ccw(c5602,3528.61) 5614.55,3528.61 5614.55,3557.95 cw(c5627.1,3557.95) 5639.65,3557.95 5639.65,3528.61 ccw(c5652.2,3528.61) 5664.75,3528.61 5664.75,3532.45 cw(c5677.3,3532.45) 5677.3,3545 5679.85,3545 6050,3545 6545,3050 6545,3028.43 J5.2@6551.97,3021.46 6555.51,3025 v1(6595,3025)
  Bottom Layer w5.1: J4.30@5107.24,3707.99 5183.66,3707.99 5195.67,3720 v1(5200,3720)
  Bottom Layer w8: v1(6595,3025) 6599.33,3025 6609.33,3015 C76.2@6642.68,3015 6642.68,3062.32 D31.2@6640,3065
RST_BTN: C82.2 IC4.18 R100.1 U8.102 | length 2815
  Top Layer w8: v1(4025,1105) 4149.96,980.04 v1(4149.96,730.71)
  Bottom Layer w8: U8.102@3196.85,2637.79 3237.2,2637.8 3255,2620 3255,1230 3366.57,1118.43 C82.2@3925,1118.43 3926.06,1117.36 R100.1@3985,1117.36 ; R100.1@3985,1114.41 3992.81,1106.6 4023.4,1106.6 v1(4025,1105) ; IC4.18@4073.19,776.97 4074.17,777.95 4130.28,777.95 4149.96,758.27 v1(4149.96,730.71)
RTC_RES: R59.1 U7.4 U8.94 | length 2293.7
  Top Layer w10: v1(1519.68,3582.68) 1960.63,3141.73 v1(1960.63,2952.76)
  Bottom Layer w10: R59.1@1417.32,3756.89 1417.7,3756.51 1417.7,3636.38 U7.4@1418.08,3636 1466.36,3636 v1(1519.68,3582.68) ; v1(1960.63,2952.76) U8.94@3196.85,2952.75
SDC0-CLK: D20.2 J3.5 R60.1 U8.61 | length 4348.4
  Top Layer w5.1: v1(2765,3890) 2785,3870 2785,3785.18 2785,3757.52 cw(c2772.45,3757.52) 2772.45,3744.97 2770.2,3744.97 ccw(c2770.2,3732.42) 2770.2,3719.87 2793.93,3719.87 cw(c2793.93,3707.32) 2793.93,3694.77 2770.2,3694.77 ccw(c2770.2,3682.22) 2770.2,3669.67 2793.93,3669.67 cw(c2793.93,3657.12) 2793.93,3644.57 2770.2,3644.57 ccw(c2770.2,3632.02) 2770.2,3619.47 2793.93,3619.47 cw(c2793.93,3606.92) 2793.93,3594.37 2770.2,3594.37 ccw(c2770.2,3581.82) 2770.2,3569.27 2772.45,3569.27 cw(c2772.45,3556.72) 2785,3556.72 2785,3475.47 2785,2355.48 v1(2865.51,2274.96)
  Bottom Layer w5.1: U8.61@2763.78,3937.01 2764.39,3936.4 2764.39,3890.61 v1(2765,3890) ; v1(2865.51,2274.96) 3120.98,2019.49 3120.98,1040.43 3200.79,960.63 3200.79,893.69 R60.1@3220.52,873.95 ; J3.5@3121.85,100.39 3121.85,105.32 3134.58,118.05 3135.74,118.05 3140.43,122.73 3140.43,557.39 3173.23,590.2 D20.2@3173.23,723.74 3179.68,730.19 3199.72,730.19 3230,760.47 3230,864.49 R60.1@3220.54,873.95
SDC0-CMD: D21.2 J3.3 R61.1 U8.56 | length 4363.9
  Top Layer w5.1: v1(2570,3890) 2695,3890 2735,3850 2735,3554.71 2735,3552.16 ccw(c2747.55,3552.16) 2747.55,3539.61 2753.44,3539.61 cw(c2753.44,3527.06) 2753.44,3514.51 2739.12,3514.51 ccw(c2739.12,3501.96) 2739.12,3489.41 2753.44,3489.41 cw(c2753.44,3476.86) 2753.44,3464.31 2739.12,3464.31 ccw(c2739.12,3451.76) 2739.12,3439.21 2752.31,3439.21 cw(c2752.31,3426.66) 2752.31,3414.11 2747.55,3414.11 ccw(c2747.55,3401.56) 2735,3401.56 2735,3335.99 2735,2360.2 v1(2842.88,2252.32)
  Bottom Layer w5.1: U8.56@2566.92,3937.01 2568.46,3935.47 2568.46,3891.54 v1(2570,3890) ; v1(2842.88,2252.32) 3095,2000.2 3095,1050 3019.68,974.68 3019.68,892.48 3038.34,873.83 3039.56,873.83 3055.12,858.27 R61.1@3055.12,855.31 3055.12,822.83 3030.31,798.02 3030.31,748.55 3057.09,721.77 D21.2@3061.02,721.77 3061.02,422.05 3046.97,407.99 3046.97,112.13 J3.3@3035.24,100.39
SDC0-D0: D22.2 J3.7 R62.1 U8.54 | length 4351.2
  Top Layer w5.1: v1(2830,3750) 2830,2355.75 v1(2888.15,2297.6)
  Bottom Layer w5.1: U8.54@2488.18,3937.01 2488.18,3886.82 2610,3765 2815,3765 v1(2830,3750) ; v1(2888.15,2297.6) 2889.83,2295.92 2904.08,2295.92 3145,2055 3145,1105 3260,990 3260,895.32 3290,865.32 R62.1@3290,862.36 ; J3.7@3208.46,100.39 3208.46,370.67 3287.4,449.6 D22.2@3287.4,723.74 3283.46,723.74 3261.46,745.75 3261.46,804.76 3279.53,822.83 R62.1@3279.53,863.19
SDC0-D1: D23.2 J3.8 R63.1 U8.55 | length 4380.6
  Top Layer w5.1: v1(2855,3790) 2855,2376.03 v1(2910.79,2320.24)
  Bottom Layer w5.1: U8.55@2527.56,3937.01 2527.56,3887.44 2625,3790 v1(2855,3790) ; v1(2910.79,2320.24) 3170,2061.03 3170,1135 3326.99,978.01 3326.99,885.38 R63.1@3350,862.36 ; J3.8@3249.8,100.39 3249.8,352.17 3346.46,448.82 D23.2@3346.46,723.74 3350.39,723.74 3377.17,750.52 3377.17,794.08 3346.46,824.8 R63.1@3346.46,863.19
SDC0-D2: D24.2 J3.1 R64.1 U8.58 | length 4363.9
  Top Layer w5.1: v1(2665,3840) 2665,3839.23 2665,3789.18 cw(c2652.45,3789.18) 2652.45,3776.63 2640.5,3776.63 ccw(c2640.5,3764.08) 2640.5,3751.53 2653.77,3751.53 cw(c2653.77,3738.98) 2653.77,3726.43 2629.36,3726.43 ccw(c2629.36,3713.88) 2629.36,3701.33 2653.77,3701.33 cw(c2653.77,3688.78) 2653.77,3676.23 2629.36,3676.23 ccw(c2629.36,3663.68) 2629.36,3651.13 2652.45,3651.13 cw(c2652.45,3638.58) 2665,3638.58 2665,3636.03 2665,2341.64 2797.6,2209.04 v1(2797.6,2207.05)
  Bottom Layer w5.1: U8.58@2645.66,3937.01 2645.66,3859.34 v1(2665,3840) ; v1(2797.6,2207.05) 2798.97,2205.68 2824.32,2205.68 3050.43,1979.57 3050.43,1131.62 2868.18,949.38 2868.18,892.4 2884.79,875.79 2886.02,875.79 2901.57,860.23 R64.1@2901.57,857.28 2901.57,830.71 2870.86,799.99 2870.86,751.19 2897.64,724.41 D24.2@2901.57,724.41 2901.57,192.91 2948.62,145.87 J3.1@2948.62,100.39
SDC0-D3: D25.2 J3.2 R65.1 U8.57 | length 4349.8
  Top Layer w5.1: v1(2605,3865) 2605.29,3864.71 2682.17,3864.71 2710,3836.88 2710,3725 2710,3697.35 cw(c2697.45,3697.35) 2697.45,3684.8 2695.66,3684.8 ccw(c2695.66,3672.25) 2695.66,3659.7 2705.26,3659.7 cw(c2705.26,3647.15) 2705.26,3634.6 2695.66,3634.6 ccw(c2695.66,3622.05) 2695.66,3609.5 2705.26,3609.5 cw(c2705.26,3596.95) 2705.26,3584.4 2696.34,3584.4 ccw(c2696.34,3571.85) 2696.34,3559.3 2697.45,3559.3 cw(c2697.45,3546.75) 2710,3546.75 2710,3501.45 2710,2339.92 v1(2820.24,2229.69)
  Bottom Layer w5.1: v1(2605,3865) 2605.65,3865.65 2605.65,3936.36 U8.57@2606.3,3937.01 ; v1(2820.24,2229.69) 2823.86,2226.07 2833.93,2226.07 3066.43,1993.57 3066.43,1068.88 2944.88,947.34 2944.88,894.44 2963.53,875.79 2964.76,875.79 2980.32,860.23 R65.1@2980.32,857.28 2980.32,825.47 2949.6,794.75 2949.6,751.19 2976.38,724.41 D25.2@2980.32,724.41 2980.32,625.98 2925.2,570.87 2925.2,373.39 2991.93,306.65 J3.2@2991.93,100.39
SDC0-DET: R66.1 U8.59 | length 3453.9
  Top Layer w5.1: v1(2630,3830) 2625,3830 2600,3805 2600,2368 2771.9,2196.1 2771.9,2187.47 v1(2774.96,2184.41)
  Bottom Layer w8: v1(2630,3830) 2633.95,3830 2648.95,3815 2680,3815 2695,3830 2695,3875 2685.04,3884.96 U8.59@2685.04,3937.01 ; v1(2774.96,2184.41) 2776.33,2183.04 2811.96,2183.04 3033.25,1961.75 3033.25,1167.11 2787.4,921.26 2786.42,920.28 R66.1@2786.42,882.56
SHUNT_A: C1.2 PS1.6 R3.1 R6.2 R107.1
SOM_3V3OUT: C50.2 C51.2 C58.2 C59.2 FB4.1 R95.2 R97.2 U8.63 | length 4455.6
  Top Layer w10: v1(2940,2345) 3094.49,2190.51 v1(3094.49,972.44)
  Int2 (Sig) w12: v1(2835,4140) 2877.01,4097.99 2877.01,3637.99 2890,3625 2890,2395 v1(2940,2345)
  Bottom Layer w10: R97.2@2188.98,4140.75 2188.98,4161.42 2228.35,4200.79 2354.33,4200.79 ; R95.2@2354.33,4140.75 2354.33,4200.79 ; U8.63@2842.52,3937.01 2842.52,4039.25 2846.46,4043.19 2846.46,4125.98 2771.65,4200.79 2354.33,4200.79 ; v1(3094.49,972.44) 3115.16,951.77 C51.2@3115.16,917.32 C50.2@3115.16,854.33 3120.08,849.41 FB4.1@3120.08,778.54
TFT_#RES: J1.5 R25.1 U8.6 | length 1340.3
  Int2 (Sig) w7.99: v1(2019.68,2188.98) 2145.15,2063.51 v1(2145.15,1834.65)
  Bottom Layer w7.99: v1(2145.15,1834.65) 2145.15,1830.31 2155.51,1819.95 J1.5@2155.51,1767.01
  Bottom Layer w10: U8.6@1740.15,2677.16 1677.16,2677.16 1645.67,2645.67 1645.67,2480.31 1692.91,2433.07 1692.91,2354.33 1787.4,2259.84 1948.82,2259.84 v1(2019.68,2188.98) 2029.63,2179.03 R25.1@2029.63,2144.68
TFT_#STBYB: J1.6 R26.1 U8.3 | length 1153.5
  Int2 (Sig) w7.99: v1(2074.8,2188.98) 2177.17,2086.61 v1(2177.17,1834.65)
  Bottom Layer w7.99: J1.6@2175.2,1767.01 2176.18,1767.99 2176.18,1833.66 v1(2177.17,1834.65)
  Bottom Layer w10: U8.3@1740.15,2559.05 1783.46,2559.05 1807.09,2535.43 1807.09,2464.57 1779.53,2437.01 1779.53,2342.52 1830.71,2291.34 1972.44,2291.34 v1(2074.8,2188.98) 2074.8,2185.18 2084.75,2175.24 R26.1@2084.75,2144.68
TFT_BIST: J1.27 R130.1 | length 78.9
  Bottom Layer w7.87: R130.1@2575,1840.32 2575,1825 2588.58,1811.42 J1.27@2588.58,1767.01
TFT_INSEL: J1.28 R128.1 | length 76.1
  Bottom Layer w7.87: J1.28@2608.27,1767.01 2608.27,1813.27 2615,1820 R128.1@2615,1840.32
TFT_SHLR: J1.33 U8.5 | length 1903.1
  Int2 (Sig) w10: v1(1685.04,2637.8) 1649.61,2637.8 1606.3,2594.49 1606.3,2468.5 2003.94,2070.87 2003.94,1854.33 2094.49,1763.78 2661.42,1763.78 v1(2720.47,1704.72)
  Bottom Layer w10: v1(1685.04,2637.8) U8.5@1740.15,2637.79 ; J1.33@2706.69,1767.01 2706.69,1718.5 v1(2720.47,1704.72)
TFT_UPDN: J1.34 U8.2 | length 1553.1
  Int2 (Sig) w10: v1(1677.17,2519.68) 1976.38,2220.47 2094.49,2220.47 2381.89,1933.07 v1(2736.22,1933.07)
  Bottom Layer w10: v1(1677.17,2519.68) U8.2@1740.15,2519.68 ; J1.34@2726.38,1767.01 2726.38,1805.12 2704.72,1826.77 2704.72,1901.57 v1(2736.22,1933.07)
USBA_HOST_D_N: L2.2 U5.4 U8.117 | length 2268
  Bottom Layer w4.7: L2.2@2448.82,722.93 2448.82,718.93 2442.89,713.01 2442.89,703.88 2445.65,701.13 2461.67,701.13 2523.32,762.77 2538.97,762.77 2541.72,765.53 2541.72,797.63 U5.4@2551.18,807.09 2551.18,765.53 2553.93,762.77 2660.41,762.77 2681.1,783.46 2681.1,873.01 2995.2,1187.11 2995.2,1847.32 2737.82,2104.7 2737.82,2145.67 2737.82,2248.36 ccw(c2732.97,2248.36) 2732.97,2253.21 2730.93,2253.21 cw(c2730.93,2258.06) 2730.93,2262.91 2732.97,2262.91 ccw(c2732.97,2267.76) 2732.97,2272.61 2729.67,2272.61 cw(c2729.67,2277.46) 2729.67,2282.31 2732.97,2282.31 ccw(c2732.97,2287.16) 2737.82,2287.16 2737.82,2299.21 2737.82,2376.45 2724.41,2389.86 U8.117@2724.41,2401.57
USBA_HOST_D_P: L2.1 U5.3 U8.116 | length 2268.8
  Bottom Layer w4.7: L2.1@2427.17,722.93 2427.17,718.93 2433.09,713.01 2433.09,699.82 2441.59,691.33 2465.73,691.33 2527.38,752.97 2538.97,752.97 2541.72,750.22 2541.72,718.12 U5.3@2551.18,708.66 2551.18,750.22 2553.93,752.97 2664.47,752.97 2690.9,779.41 2690.9,868.95 3005,1183.05 3005,1851.38 2747.62,2108.76 2747.62,2374.78 2763.78,2390.94 U8.116@2763.78,2401.57